# KiCad board Primero_esquematico.kicad_pcb (continued)
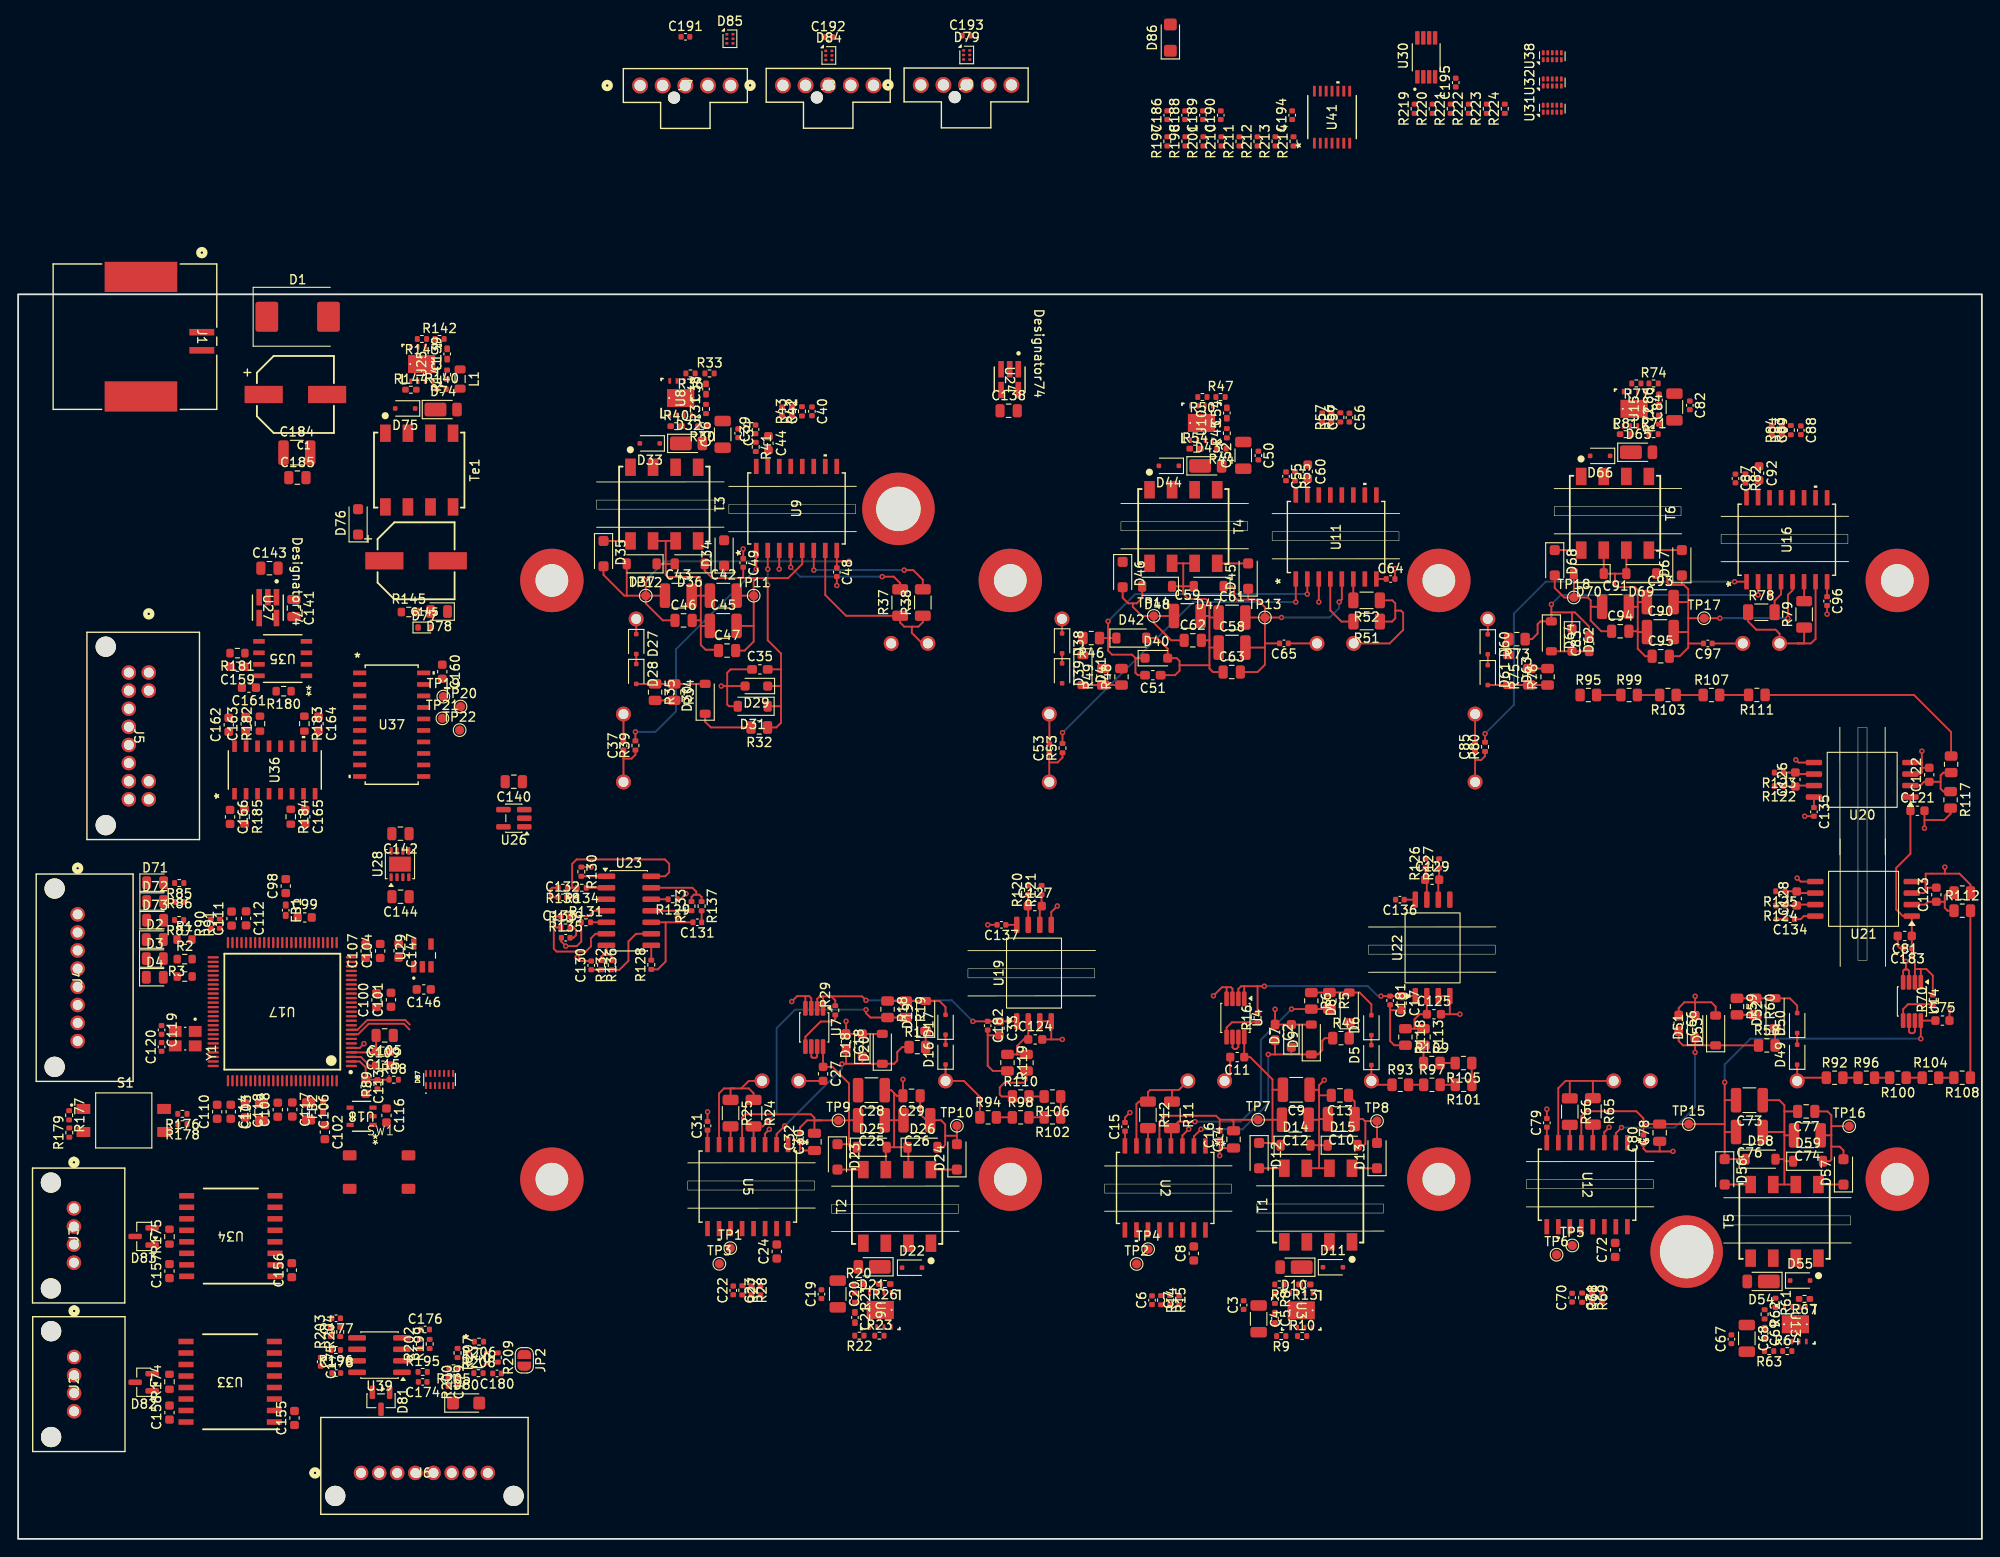
[diagram p0: board, top side]
## Copper pours and planes (outline as drawn; the poured copper is in the pictures) (continued)
GND on In1.Cu, In4.Cu: 226.32,147.86 226.32,-4.54 -1.38,-5.04 -2.08,148.36
GND_Can_1 on In1.Cu, In4.Cu: 22.91,24.46 22.91,10.1 14.21,9.16 -2.89,9.26 -2.99,24.46
GND_Can_2 on In1.Cu, In4.Cu: -3.29,38.86 21.81,39.27 21.71,27.56 -3.09,27.76
GNDPWR_1 on In1.Cu, In4.Cu: 169.22,61.86 184.32,65.96 201.82,62.36 203.69,73.36 204.82,88.66 206.42,91.06 223.32,91.56 223.62,34.76 187.92,35.06 182.72,38.86 163.02,39.1 160.92,45.06 164.02,47.76
GNDPWR_2 on In1.Cu, In4.Cu: 150.52,36.46 160.22,42.26 166.42,53.26 165.12,64.96 135.72,65.56 124.82,62.16 122.42,51.36 117.92,43.66 117.32,39.46 136.62,37.16
GNDPWR_3 on In1.Cu, In4.Cu: 70.52,39.16 87.12,38.06 103.82,36.14 112.52,37.66 118.32,44.86 123.92,54.86 120.92,62.36 101.22,62.26 85.82,63.36 75.42,55.76 71.32,48.36
+3.3_digital on In3.Cu: 54.2,2.54 54.4,32.84 54.59,38.46 54.65,40.06 55.13,54.93 50.88,98.83 29.93,99.14 30.19,75.26 -0.53,76.3 -0.4,42.84 0.1,1.64
/pcb_potencia/Gate_Driver/ISO_GND_HS_1 on In1.Cu, In4.Cu: 156.52,86.36 158.85,98.76 161.4,110.66 169.82,113.56 184.92,112.46 192.62,111.26 207.12,110.46 207.32,95.66 171.92,95.36 170.32,94.16 170.42,91.66 165.02,81.86 157.52,79.96 155.92,82.06
/pcb_potencia/Gate_Driver/ISO_GND_HS_2 on In1.Cu, In4.Cu: 114.82,111.46 141.62,110.96 159.32,110.86 159.32,99.76 153.92,93.06 128.62,88.26 117.42,81.26 111.72,79.56 108.92,88.46 113.22,107.06
/pcb_potencia/Gate_Driver/ISO_GND_HS_3 on In1.Cu, In4.Cu: 76.42,114.26 99.22,112.36 104.22,109.06 104.72,95.16 94.82,86.46 85.92,84.16 68.52,80.56 62.22,82.06 59.42,100.36 60.22,113.93

## Text on the board
User.1: IPC‑2221, ΔT = 20 °C / 1 -> Layer: 2 oz
User.3: 1) Top - componentes; rutas cortas de gate y HV (con su clearance) en la zona caliente, MCU/digital en la zona fría. / 2) GND - plano de masa sólido del lado control; del lado caliente, este nivel lleva GNDPWR y las masas secundarias flotantes (separadas por la ranura). / 3) Señal - digital (PWM, SPI, GPIO) referenciada al plano de L2. / 4) PWR - 3.3V/5V/12V del lado frío; islas +15V_ISO / +5V_ISO del lado caliente. / 5) GND - segunda referencia, para la L6. / 6) Bottom - sensado analógico y ruteo restante. | Normas FSAE a seguir: / - EV.6.5.7 / - EV.6.5.5 / - EV.6.5 / - EV.6.4.3 / - EV.5 / - EV.7 / - EV.4 / Normas para pistas y otras cosas: / - IPC-2221 / - IPC-2152 / - IPC-6012 / - IPC-A-600 / - IPC-A-610 / - IPC-CC-830 / - IEC 60664-1 / - ISO 6469
